# Altium PCB SJ2096POE.PcbDoc (part 3 of 5) (continued)
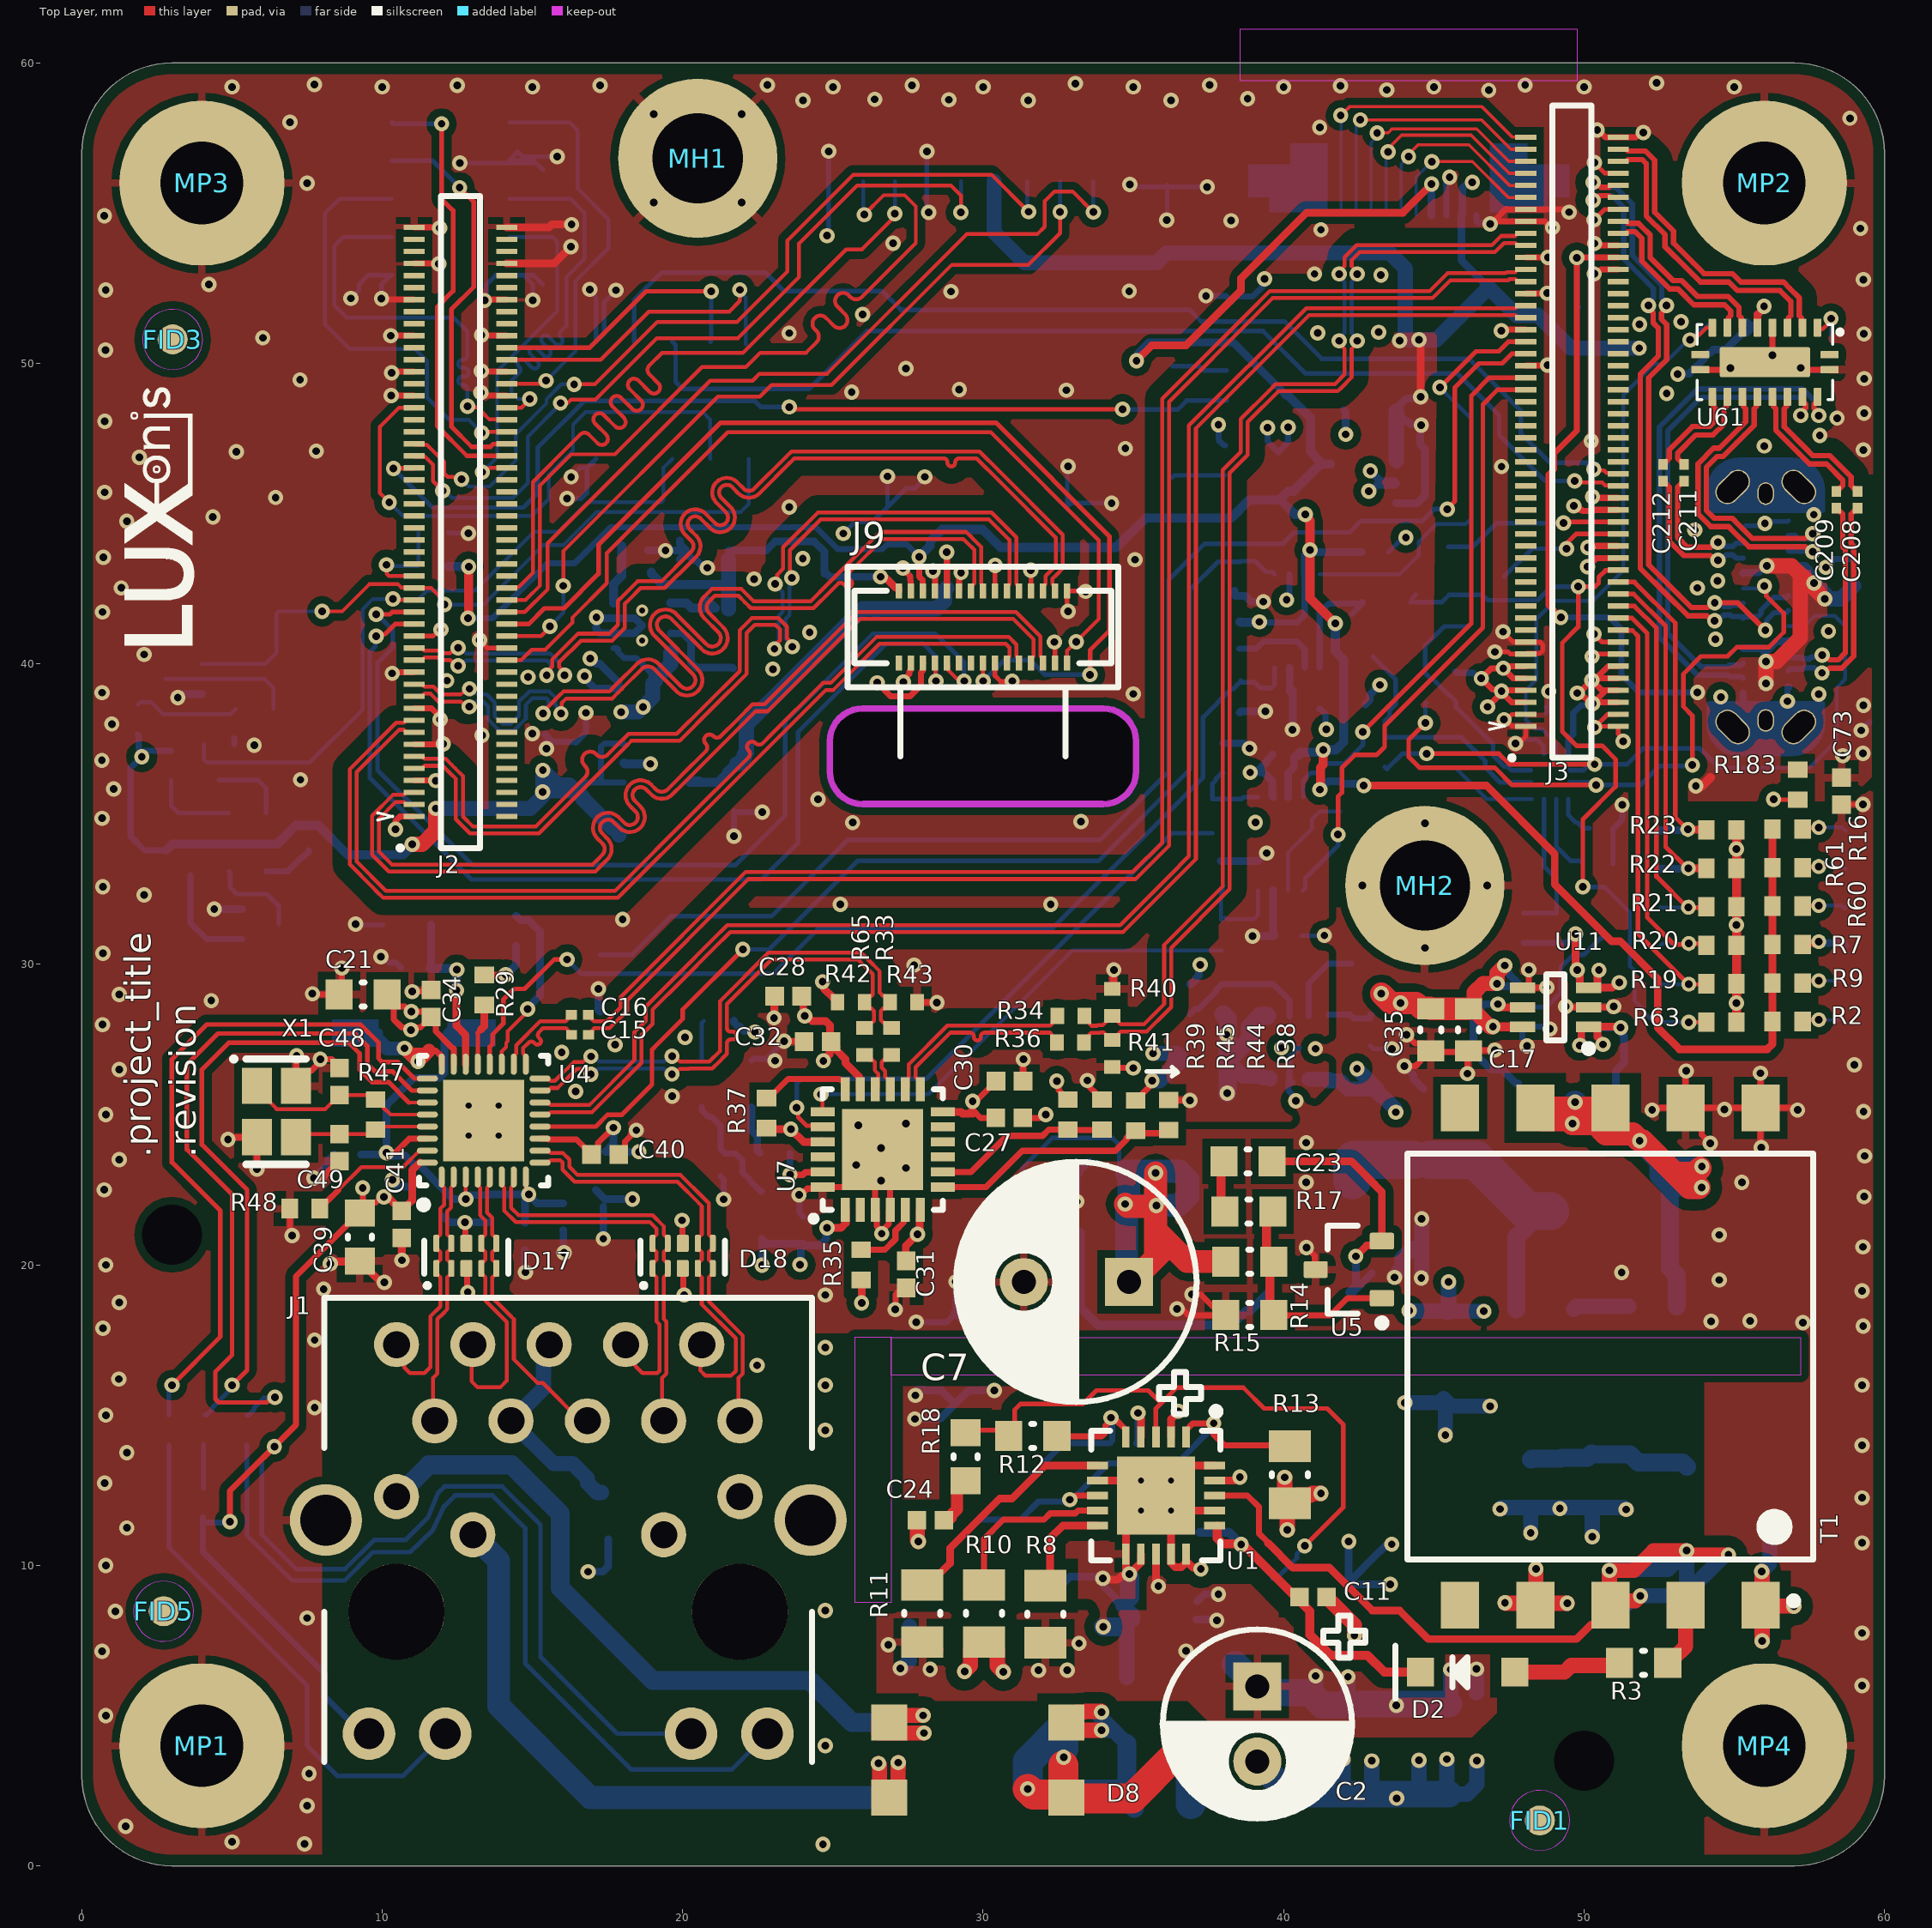
[diagram p0: Top Layer view]
## Nets (pads, with @x,y where several pads share a name; then routed paths per layer and width w, separated by ;. In a path a pad name is that pad's centre, name@x,y a point inside that pad or via, vN(x,y) a via of type N, cw(c..) or ccw(c..) an arc to the next point about the centre after c; other vN are vias at no path point) (continued)
  Bottom Layer w0.13: v1@16.949,26.348 v1(16.943,26.342) 17.002,26.342 17.196,26.536 19.376,26.536 19.562,26.35 v1(19.641,26.35)
CAM_A_CLK: J2.28 J9.30 | length 29.5
  Top Layer w0.127: J2.28@14.14,40.125 14.625,40.125 14.975,40.475 15.425,40.475 16.325,41.375 16.325,41.534 17.475,42.684 17.475,43.687 21.498,47.71 30.254,47.71 33.85,44.114 33.85,41.493 v1(33.096,40.739) 32.794,40.438 J9.30@32.794,40.028
CAM_A_PWDN_N: J2.34 J9.23 | length 34.5
  Top Layer w0.127: J9.23@29.994,40.028 29.998,40.025 29.998,39.431 v1(30.001,39.428)
  Top Layer w0.152: J2.34@14.14,41.325 14.875,41.325 15.4,41.85 16.05,41.85 17.2,43 17.2,43.963 21.263,48.025 30.424,48.025 34.2,44.249 34.2,41.1 33.558,40.458 v1(33.558,39.642)
  Bottom Layer w0.152: v1(30.001,39.428) 30.698,40.125 31.575,40.125 32.058,39.642 v1(33.558,39.642)
CAM_B_CLK: J2.73
CAM_B_D_PWM: J2.65
CAM_B_PWDN_N: J2.67
CC1: J10.A5 RZ28.2 U62.1 | length 23.3
  Top Layer w0.152: v1(44.76,37.015) 47.164,37.015 47.52,36.659 v1(50.351,36.659)
  Bottom Layer w0.127: 54.486,36.549 57.503,36.549 58.41,37.456 58.41,39.21 58.688,39.488 58.688,41.252 58.345,41.595 57.679,41.595 57.346,41.263 56.807,41.263 J10.A5@56.8,41.27
  Bottom Layer w0.152: RZ28.2@43.364,36.578 43.439,36.503 43.951,37.015 v1(44.76,37.015) ; U62.1@49.521,36.459 49.971,36.459 50.206,36.693 50.241,36.659 v1(50.351,36.659) 51.434,36.659 51.968,37.193 53.843,37.193 54.486,36.549
CC2: J10.B5 RZ29.2 U62.2 | length 22.5
  Top Layer w0.127: v1(56.003,42.588) v1@56.06,42.531
  Top Layer w0.152: v1(44.72,38.037) 44.164,37.482 44.164,36.904 44.519,36.55 47.025,36.55 47.605,35.97 v1(50.398,35.97) ; v1(53.604,36.634) 53.604,37.195 53.604,38.281 53.306,38.58 53.306,39.666 53.89,40.25 54.775,40.25 55.082,40.557 56.149,40.557 56.648,41.056 56.648,41.684 56.06,42.271 v1@56.06,42.531
  Bottom Layer w0.127: J10.B5@55.29,42.52 56,42.519 56.003,42.522 v1(56.003,42.588)
  Bottom Layer w0.152: v1(44.72,38.037) 44.72,38.682 RZ29.2@44.739,38.701 ; U62.2@49.521,36.059 v1@50.195,36.059 ; v1(50.398,35.97) 51.87,35.97 52.5,36.6 53.57,36.6 v1(53.604,36.634)
CD_SW1: J7.9 R66.1 | length 1.9
  Bottom Layer w0.152: J7.9@36.298,49.912 37.197,49.912 37.343,49.767 R66.1@38.099,49.767
CD_SW2: J7.10 R67.2 | length 1.8
  Bottom Layer w0.152: J7.10@36.298,46.212 36.36,46.275 R67.2@38.05,46.275
CLK_IN: R64.1 U7.23 | length 1.9
  Top Layer w0.206: v1(23.571,23.005) 23.576,23 24,23 24.085,23.085 24.65,23.085 U7.23@24.655,23.09
  Bottom Layer w0.206: R64.1@23.562,23.728 23.567,23.722 23.567,23.008 v1(23.571,23.005)
COM_AUX_IO2: J2.42
CT1: D9.2 J1.11 | length 21.8
  Bottom Layer w0.635: J1.11@10.475,12.29 10.494,12.29 11.549,13.344 14.307,13.344 15.925,11.726 15.925,9.25 19,6.175 24.234,6.175 25.634,4.775 D9.2@26.875,4.775
CT2: D9.3 J1.12 | length 20.3
  Bottom Layer w0.762: J1.12@13.015,11.02 13.877,10.158 13.877,5.323 16.925,2.275 D9.3@26.875,2.275
EROUT: R12.1 R18.2 U1.3 U2.4 | length 21.5
  Top Layer w0.152: R18.2@29.575,14.5 30.825,14.5 31.05,14.725 31.05,15.175 31.25,15.375 33.325,15.375 33.775,15.825 35.493,15.825 35.922,15.397 ; U1.3@35.75,14.275 35.75,15.225 35.922,15.397 ; v1(40.702,10.651) 41.981,11.929 41.981,14.694 41.45,15.225 39.35,15.225 38.66,15.915 36.44,15.915 35.922,15.397
  Bottom Layer w0.152: U2.4@39.63,9.565 39.76,9.565 40.444,10.249 40.444,10.379 40.702,10.637 v1(40.702,10.651)
FB_3.3VIN: R68.2 R69.1 U9.6 | length 4.5
  Bottom Layer w0.203: R69.1@36.88,28.338 37.054,28.511 37.162,28.511 37.766,29.114 37.766,29.164 37.939,29.338 R68.2@37.989,29.338 39.669,29.338 40.189,28.818 U9.6@40.189,28.281
GND: B1.1 C6.1 C7.2 C9.1 C10.1 C12.1 C13.1 C14.1 C17.1 C18.1 C19.1 C20.2 C21.1 C25.2 C27.2 C28.2 C29.2 C30.2 C31.2 C32.1 C34.1 C35.1 C36.1 C37.1 C38.1 C39.1 C40.1 C41.1 C42.1 C43.1 C44.1 C45.1 C46.1 C47.1 C48.1 C49.1 C50.1 C51.1 C52.1 C53.1 C55.1 C56.1 C57.2 C58.1 C59.1 C60.1 C73.1 C74.1 C76.1 C207.1 D17.3 D17.8 D18.3 D18.8 J1.19 J1.20 J2.1 J2.7 J2.13 J2.19 J2.25 J2.30 J2.31 J2.71 J2.72 J2.75 J2.76 J2.81 J2.82 J2.87 J2.88 J2.93 J2.94 J2.99 J2.100 J3.1 J3.2 J3.3 J3.4 J3.13 J3.14 J3.15 J3.16 J3.30 J3.32 J3.38 J3.40 J3.61 J3.67 J3.73 J3.78 J3.79 J3.82 J3.85 J3.87 J3.88 J3.94 J3.100 J4.8 J4.10 J5.9 J5.10 J7.6 J7.11 J7.12 J7.13 J7.14 J8.3 J8.9 J8.10 J9.1 J9.4 J9.7 J9.10 J9.12 J9.14 J9.17 J9.24 J9.29 J10.A1 J10.A12 J10.B1 J10.B12 J10.CASE MH1.1 MH2.1 MP1.1 MP2.1 MP3.1 MP4.1 OS1.2 Q1.2 Q2.2 Q3.2 Q4.2 R15.1 R19.2 R20.2 R21.2 R22.2 R23.2 R31.2 R32.2 R40.2 R41.1 R42.1 R43.1 R44.2 R45.2 R48.1 R62.2 R63.2 R67.1 R69.2 R71.1 R183.1 R185.2 T1.9 T1.10 TP9.1 U3.2 U4.33 U5.3 U6.2 U7.3 U7.4 U7.24 U7.25 U9.3 U9.9 U10.2 U11.2 U11.4 U12.2 U12.4 U13.2 U14.2 U14.3 U14.9 U61.5 U61.11 U61.20 U61.21 U62.10 X1.2 X1.4 | length 239
  Top Layer w0.152: J2.31@11.06,40.925 11.69,40.925 11.906,41.141 v1(11.957,41.141) ; v1(13.236,40.789) 13.239,40.789 13.503,40.525 J2.30@14.14,40.525 ; J9.24@30.394,40.028 30.394,39.606 30.585,39.415 30.954,39.415 v1(30.966,39.428) ; J9.7@30.394,42.428 30.394,43.265 v1(30.404,43.274) ; J9.4@31.594,42.428 v1@31.594,43.116 ; v1(32.372,40.728) 32.394,40.706 J9.29@32.394,40.028 ; v1(32.825,41.746) 32.794,41.776 J9.1@32.794,42.428 33.391,42.428 v1(33.409,42.41) ; v1(47.03,40.4) v1@47.126,40.4 ; v1@47.201,40.325 v1@47.126,40.4 ; v1(47.299,41.071) 47.632,40.739 48.046,40.739 J3.15@48.06,40.725 ; v1(47.336,38.147) v1@47.383,38.147 ; 47.632,40.725 J3.15@48.06,40.725 ; v1(47.714,37.349) 47.821,37.349 48.06,37.588 J3.1@48.06,37.925 48.058,37.927 47.604,37.927 v1@47.383,38.147 ; J3.3@48.06,38.325 48.058,38.323 47.604,38.323 47.428,38.147 v1@47.383,38.147 ; v1(50.264,40.246) 50.36,40.246 50.439,40.325 J3.14@51.14,40.325 ; v1(50.333,40.996) 50.604,40.725 J3.16@51.14,40.725 ; v1(50.333,54.776) 50.682,55.125 J3.88@51.14,55.125 ; v1(50.341,56.68) 50.689,56.332 51.133,56.332 J3.94@51.14,56.325 ; v1(50.353,37.886) v1@50.392,37.925 ; J3.4@51.14,38.325 51.126,38.311 50.778,38.311 v1@50.392,37.925 ; v1(51.302,37.421) 51.302,37.512 51.14,37.674 J3.2@51.14,37.925 v1@50.392,37.925 ; v1(56.307,35.493) 56.318,35.481 R183.1@57.114,35.481 ; C73.1@58.57,35.32 58.577,35.327 v1(59.28,35.327) ; v1@47.126,40.4 47.475,40.4 47.55,40.325 J3.13@48.06,40.325 48.072,40.337 48.506,40.337 48.625,40.456 48.625,40.636 48.536,40.725 J3.15@48.06,40.725
  Top Layer w0.2: v1(4.865,24.177) 4.948,24.177 5.024,24.253 X1.2@5.826,24.253 5.826,23.194 v1(5.832,23.189) ; R48.1@6.925,21.875 6.925,21.131 6.999,21.056 v1(6.999,20.973) ; X1.4@7.126,25.953 7.126,26.053 X1.4@7.15,26.077 ; v1(7.15,26.959) X1.4@7.15,26.077 ; v1@7.874,29.003 C21.1@8.566,29.003 8.654,29.091 v1(8.654,29.88) ; C48.1@8.576,26.553 8.6,26.577 8.334,26.843 v1(7.938,26.843) 7.938,26.765 7.626,26.453 7.526,26.453 X1.4@7.15,26.077 ; v1(9.976,52.154) 10.005,52.125 J2.87@11.06,52.125 ; v1(10.287,50.921) 10.291,50.925 J2.81@11.06,50.925 ; v1(10.3,48.929) 10.304,48.925 J2.71@11.06,48.925 ; v1(10.313,49.69) 10.348,49.725 J2.75@11.06,49.725 ; v1(10.332,39.686) 10.371,39.725 J2.25@11.06,39.725 ; v1(10.438,34.496) 10.438,34.772 10.591,34.925 J2.1@11.06,34.925 ; v1(11.002,29.096) 11.569,29.096 C34.1@11.626,29.153 ; J2.7@11.06,36.125 11.775,36.125 v1(11.784,36.116) ; J2.13@11.06,37.325 12.016,37.325 v1(12.033,37.341) ; J2.19@11.06,38.525 11.638,38.525 11.926,38.237 v1(11.926,38.149) ; J2.93@11.06,53.325 11.877,53.325 v1(11.887,53.315) ; J2.99@11.06,54.525 11.89,54.525 v1(11.911,54.504) ; v1@12.747,21.4 12.773,21.374 12.773,20.744 D17.8@12.8,20.717 ; D17.3@12.8,19.883 12.823,19.859 12.823,19.111 v1(12.847,19.088) ; v1(13.283,49.03) 13.366,49.03 13.471,48.925 J2.72@14.14,48.925 ; v1(13.301,49.747) 13.322,49.725 J2.76@14.14,49.725 ; v1(13.301,50.942) 13.318,50.925 J2.82@14.14,50.925 ; v1(13.406,52.095) 13.436,52.125 J2.88@14.14,52.125 ; C40.1@17.868,23.675 18.078,23.885 18.078,24.103 v1(18.459,24.483) ; D18.8@19.9,20.817 D18.8@19.986,20.732 ; v1(19.981,21.485) v1@19.986,21.485 ; D18.3@20,19.883 20.023,19.859 20.023,19.022 v1(20.047,18.998) ; D18.8@20,20.717 D18.8@19.986,20.732 ; v1@20.012,21.458 v1@19.986,21.485 ; v1(23.377,27.447) 24.018,27.447 C32.1@24.037,27.428 ; v1(23.871,22.329) 23.93,22.329 24.142,22.54 24.605,22.54 U7.24@24.655,22.59 25.405,22.59 U7.25@26.405,23.59 ; v1(26.623,21.043) v1@26.623,21.126 ; v1(27.077,18.517) 27.018,18.517 26.947,18.588 27.085,18.727 27.085,19.026 C31.2@27.282,19.223 ; v1(27.328,43.194) 27.328,43.166 27.571,42.923 27.571,42.775 27.584,42.761 27.584,42.438 J9.14@27.594,42.428 ; v1(27.348,39.39) 27.348,39.468 27.541,39.661 27.541,39.757 27.584,39.8 27.584,40.018 J9.17@27.594,40.028 ; R43.1@27.821,28.756 R43.1@27.805,28.74 28.453,28.74 v1@28.473,28.72 ; v1(28.331,43.09) 28.331,43.006 28.394,42.943 J9.12@28.394,42.428 ; v1@28.955,19.442 v1(29.091,19.442) ; J9.10@29.194,42.428 29.194,42.967 29.268,43.04 29.246,43.063 v1@29.246,43.17 ; C27.2@31.321,24.894 31.894,24.894 32,25.001 v1(32.084,25.001) ; C30.2@31.329,26.119 31.329,26.832 v1(31.337,26.84) ; v1(33.469,26.138) 33.528,26.08 33.528,25.932 33.733,25.728 33.733,25.678 33.908,25.503 R45.2@33.958,25.503 ; R41.1@34.294,26.588 34.33,26.552 v1(34.995,26.552) ; R40.2@34.294,29.188 R40.2@34.301,29.181 ; R44.2@35.075,25.471 35.125,25.471 35.3,25.646 35.3,25.696 35.561,25.957 35.561,26.068 v1(35.62,26.127) ; v1(36.45,18.532) 36.509,18.473 36.683,18.473 36.832,18.325 37.94,18.325 37.243,19.022 v1(36.948,19.022) ; v1(40.759,20.575) 41.031,20.303 41.031,19.884 U5.3@41.07,19.845 ; v1(44.022,26.615) 44.03,26.623 44.398,26.623 44.55,26.775 44.55,26.875 44.8,27.125 C35.1@44.9,27.125 44.65,27.375 44.371,27.375 v1(44.09,27.655) ; C35.1@44.856,27.081 46.106,27.081 C17.1@46.121,27.096 ; v1(46.114,26.367) 46.121,26.374 C17.1@46.121,27.096 ; v1(47.031,27.151) 46.176,27.151 C17.1@46.15,27.125 C17.1@46.121,27.096 ; v1(47.245,51.086) 47.284,51.125 J3.67@48.06,51.125 ; U11.4@47.95,29.225 U11.4@48.087,29.225 ; J3.61@48.06,49.925 48.766,49.925 v1(48.782,49.941) ; J3.73@48.06,52.325 48.76,52.325 v1(48.773,52.338) ; v1(48.162,29.823) 48.162,29.3 U11.4@48.087,29.225 ; v1(48.758,29.235) 48.758,29.364 48.619,29.225 U11.4@48.087,29.225 ; v1(48.95,54.517) 48.898,54.517 48.69,54.725 J3.85@48.06,54.725 47.076,54.725 47.012,54.66 46.983,54.689 46.978,54.689 46.978,54.71 47.393,55.125 J3.87@48.06,55.125 49.329,55.125 49.422,55.032 v1(49.505,55.032) ; v1(49.388,28.602) 49.28,28.602 49.253,28.575 U11.2@50.15,28.575 50.98,28.575 51.001,28.595 v1(50.984,28.595) ; v1(50.437,57.767) 50.466,57.767 50.708,57.525 J3.100@51.14,57.525 51.727,57.525 51.885,57.683 v1(51.968,57.683) ; v1(52.265,25.155) 52.348,25.155 52.418,25.225 T1.9@53.375,25.225 ; v1@53.377,26.464 53.375,26.462 T1.9@53.375,25.225 ; U61.11@53.869,49.792 55.769,49.792 U61.21@56.019,50.042 ; v1(54.197,24.043) 53.91,24.331 53.91,24.69 T1.9@53.375,25.225 ; v1(54.675,25.175) v1@54.725,25.225 ; v1(55.87,26.381) 55.87,25.23 T1.10@55.875,25.225 ; v1(55.9,23.9) 55.875,23.925 T1.10@55.875,25.225 ; U61.5@56.269,51.192 56.269,50.292 U61.21@56.019,50.042 ; v1(57.106,25.155) 57.023,25.155 56.953,25.225 T1.10@55.875,25.225 ; U61.20@58.169,49.792 56.269,49.792 U61.21@56.019,50.042 ; D18.8@19.986,20.732 v1@19.986,21.485 ; U7.25@26.405,23.59 U7.25@26.655,23.84 26.905,23.59 U7.4@26.905,21.84 26.855,21.79 26.855,21.358 v1@26.623,21.126 ; U7.25@26.405,23.59 U7.3@26.405,21.84 26.453,21.793 26.453,21.296 v1@26.623,21.126 ; T1.9@53.375,25.225 v1@54.725,25.225 ; v1@54.725,25.225 T1.10@55.875,25.225
  Top Layer w0.203: J3.79@48.06,53.525 v1(48.796,53.526) v1(48.796,53.526) ; v1(49.656,45.256) 49.738,45.256 49.867,45.127 49.911,45.127 49.952,45.086 50.281,45.086 50.32,45.125 J3.38@51.14,45.125 ; v1(50.113,43.23) 50.408,43.525 J3.30@51.14,43.525 ; v1(50.121,43.875) 50.172,43.925 J3.32@51.14,43.925 ; v1(50.281,45.561) 50.317,45.525 J3.40@51.14,45.525 ; v1(50.339,52.98) 50.421,52.98 50.566,53.125 J3.78@51.14,53.125 ; v1(50.35,53.992) 50.433,53.992 50.5,53.925 J3.82@51.14,53.925
  Top Layer w0.254: v1(6.999,20.973) v1@7.026,21 ; v1(7.722,22.894) 7.763,22.935 8.058,22.935 C49.1@8.576,23.453 ; v1(8.269,20.039) 8.337,20.039 8.407,20.109 9.234,20.109 C39.1@9.25,20.125 9.3,20.125 9.623,19.802 9.623,19.752 9.908,19.467 10.021,19.467 v1(10.069,19.419) ; C41.1@10.65,20.9 10.65,20.163 v1(10.656,20.157) ; J2.94@14.14,53.325 15.723,53.325 v1(16.278,53.881) ; J2.100@14.14,54.525 15.55,54.525 15.647,54.622 v1(16.301,54.622) ; v1(23.042,28.22) 23.052,28.23 23.052,28.93 C28.2@23.062,28.94 ; v1(24.652,29.423) 24.701,29.375 24.701,29.195 25.007,28.888 25.057,28.888 25.155,28.79 R42.1@25.155,28.74 ; R40.2@34.294,29.188 34.344,29.237 34.344,29.814 v1(34.349,29.819) ; C35.1@44.856,27.081 C35.1@44.9,27.125
  Top Layer w0.3: R63.2@55.072,28.077 v1(55.072,28.717) R19.2@55.072,29.357 R20.2@55.072,30.637 R21.2@55.072,31.917 R22.2@55.072,33.197 v1(55.072,33.837) R23.2@55.072,34.477
  Bottom Layer w0.152: v1(8.958,52.163) 9.228,52.434 9.228,52.631 9.532,52.935 J8.10@10.28,52.935 ; v1(9.116,31.344) 9.136,31.325 C36.1@10.025,31.325 ; v1(9.976,52.154) 9.976,52.631 J8.10@10.28,52.935 ; J8.10@10.325,52.935 J8.10@10.28,52.935 ; R62.2@12.2,44.375 12.222,44.353 12.866,44.353 v1(12.871,44.347) ; v1(12.582,56.669) J8.3@14.988,56.669 ; v1(13.406,52.095) 13.473,52.161 13.473,52.631 13.776,52.935 J8.9@14.225,52.935 J8.9@14.708,52.935 ; v1(15.012,52.105) 15.012,52.631 J8.9@14.708,52.935 ; J8.9@15.335,52.631 15.031,52.935 J8.9@14.708,52.935 ; J8.3@15.349,56.441 15.045,56.745 J8.3@14.225,56.745 14.514,57.034 14.665,56.882 v1(15.821,56.882) ; v1(16.15,45.5) 16.625,45.5 16.811,45.686 16.811,46.521 J5.9@16.821,46.531 ; v1(16.288,46.223) 16.596,46.531 J5.9@16.821,46.531 ; v1(16.913,52.461) 16.913,52.397 17.115,52.194 J5.10@17.115,50.725 17.39,51 17.39,52.048 v1(17.776,52.435) ; J5.9@17.026,46.684 J5.9@17,46.71 ; J5.9@17.115,46.825 J5.9@17,46.71 ; v1(24.8,54.25) 24.857,54.307 v1(24.857,57.058) ; v1(25.348,44.34) 25.738,44.73 26.32,44.73 J7.12@26.828,45.237 ; v1(26.818,46.239) 26.818,45.247 J7.12@26.828,45.237 ; v1(28.061,46.224) 28.061,46.176 27.72,45.836 27.426,45.836 J7.12@26.828,45.237 ; v1(28.127,57.051) 28.127,55.086 v1(28.187,55.026) ; v1(32.825,46.575) 32.798,46.548 J7.11@32.798,45.237 32.91,45.35 v1(34.275,45.35) ; v1(34.885,55.952) 34.981,55.952 35.059,55.873 J7.14@36.123,55.873 ; v1(36.108,54.771) 36.123,54.785 J7.14@36.123,55.873 ; J7.14@36.123,55.937 J7.14@36.123,55.873 ; v1(37.458,55.873) J7.14@36.123,55.873 ; C19.1@40.6,30.958 41.353,30.958 v1(41.358,30.963) ; C58.1@42.884,27.303 42.997,27.19 v1(43.602,27.19) ; C52.1@43.491,43.724 43.494,43.721 43.981,44.208 v1(44.071,44.208) ; v1@47.3,38.125 47.322,38.147 v1(47.336,38.147) ; v1(47.714,37.349) 47.844,37.479 48.43,37.479 48.647,37.261 48.647,37.032 U62.10@48.671,37.009 ; C76.1@48.737,38.361 48.834,38.458 48.735,38.557 48.826,38.648 v1(48.826,39.085) ; R32.2@50.969,33.344 R31.2@50.969,34.477 ; J10.B1@55.29,44.52 55.364,44.594 55.839,44.594 55.923,44.677 v1(56.019,44.677) 56.082,44.74 56.77,44.74 J10.A12@56.8,44.77 ; J5.9@16.821,46.531 J5.9@17,46.71
  Bottom Layer w0.2: Q2.2@5.073,37.325 Q2.2@5.073,37.53 ; v1(9.954,30.254) 10.033,30.254 10.225,30.062 10.462,30.062 C37.1@10.633,29.891 ; v1(15.463,37.179) 15.463,37.585 15.396,37.651 15.421,37.675 15.68,37.416 16.378,37.416 C10.1@16.42,37.374 16.433,37.374 16.783,37.724 v1(16.783,38.373) ; C20.2@21.262,22.953 21.364,22.851 v1(21.364,22.185) ; v1(21.71,34.271) 21.71,35.014 C12.1@21.761,35.066 ; C12.1@21.724,35.103 C12.1@21.761,35.066 ; OS1.2@22.287,26.803 22.349,26.865 22.795,26.865 v1(23.377,27.447) ; v1(22.647,35.066) C12.1@21.761,35.066 ; v1(23.871,22.329) 23.886,22.313 23.886,21.729 C29.2@24.012,21.603 ; v1(27.772,18.098) 28.785,18.098 C25.2@29.059,18.372 ; C25.2@29.017,18.414 C25.2@29.059,18.372 ; v1(29.091,19.442) 29.091,18.404 C25.2@29.059,18.372 ; C25.2@29.534,17.897 C25.2@29.059,18.372 ; 30.541,18.372 C25.2@29.059,18.372 ; v1(37.418,52.247) 38.08,52.247 38.268,52.059 C55.1@38.289,52.08 38.438,52.228 38.972,52.228 39.364,52.62 v1(39.364,52.81) ; v1(37.831,47.958) 37.831,47.45 38.006,47.275 R67.1@38.05,47.275 ; v1(39.469,47.856) 39.469,47.4 C60.1@39.819,47.05 ; C60.1@39.85,47.05 C60.1@39.819,47.05 ; v1(40.1,42.129) 40.1,42.213 40.2,42.313 U6.2@40.2,42.978 ; v1(40.15,47.875) 40.15,47.381 C60.1@39.819,47.05 ; U9.3@40.301,26.069 U9.3@40.189,26.181 ; v1(40.407,25.462) 40.407,25.545 40.163,25.789 40.163,26.155 U9.3@40.189,26.181 ; U9.9@40.514,27.231 40.189,26.906 U9.3@40.189,26.181 ; C53.1@41.18,38.493 C53.1@41.212,38.525 41.397,38.34 41.397,37.847 v1(41.418,37.826) ; J4.8@45.417,54.93 45.417,56.008 45.525,56.117 v1(45.525,56.2) ; J4.10@46.417,54.93 46.417,54.713 46.469,54.66 46.498,54.689 v1@46.978,54.689 ; v1(48.103,27.29) 48.103,27.373 47.95,27.526 U12.4@47.95,27.925 48.712,27.925 48.784,27.853 v1(48.868,27.853) ; v1(49.388,28.602) 49.28,28.602 49.253,28.575 U12.2@50.15,28.575 50.98,28.575 51.001,28.595 v1(50.984,28.595) ; R31.2@50.969,34.477 50.969,34.527 51.144,34.702 51.15,34.702 51.267,34.819 v1(51.267,35.311) ; v1(54.871,49.843) 55.142,49.843 C74.1@55.59,50.292 ; 55.29,38.512 55.331,38.471 55.331,38.162 ; v1(56.77,38.759) 56.77,39.239 J10.A1@56.8,39.27 J10.A1@56.84,39.229 ; v1(57.212,49.851) 57.295,49.851 57.376,49.77 R185.2@58.2,49.77 ; v1@58.129,43.212 v1(58.045,43.212) 58.33,43.497 C207.1@58.975,43.497
  Bottom Layer w0.254: v1(3.195,38.884) 3.263,38.884 3.373,38.994 3.994,38.994 Q4.2@4,39 ; v1(4.409,31.844) 4.412,31.841 Q3.2@5.336,31.841 ; v1(7.722,22.894) 8.217,23.389 8.217,23.492 C46.1@8.4,23.675 ; v1(10.342,22.836) 10.342,22.765 10.507,22.6 10.9,22.6 C47.1@10.925,22.575 ; C43.1@12.05,21.6 12.225,21.425 v1@12.723,21.425 ; v1@12.747,21.4 v1@12.723,21.425 ; C42.1@13.575,21.425 v1@12.723,21.425 ; C45.1@14.75,20.5 14.75,19.775 v1(14.769,19.756) ; C44.1@16.025,21.15 16.03,21.145 16.03,20.428 v1(16.05,20.409) ; v1@16.7,39.554 v1@16.781,39.473 ; v1@16.781,39.472 17.072,39.181 17.799,39.181 17.873,39.255 17.873,39.378 17.246,40.005 17.134,40.005 17.107,40.032 16.977,40.032 16.919,40.09 v1(16.919,40.179) ; v1(16.851,9.792) 17.342,9.792 17.525,9.975 C50.1@17.525,10.877 ; v1@17.068,41.547 v1@17.091,41.525 ; C38.1@17.102,22.498 C38.1@17.425,22.175 17.444,22.194 v1(18.328,22.194) ; v1(17.194,29.184) 17.194,28.481 Q1.2@17.25,28.425 ; v1(17.358,20.871) C38.1@17.358,21.934 ; U14.2@17.688,41.012 U14.2@17.701,41.025 ; R71.1@18.83,43.782 C14.1@20.119,43.782 ; C14.1@19.903,43.484 C14.1@20.126,43.707 ; C14.1@19.903,44.107 19.903,43.998 C14.1@20.119,43.782 ; v1(20.823,43.197) 20.774,43.246 20.655,43.246 20.449,43.452 20.349,43.452 20.126,43.675 C14.1@20.126,43.707 ; v1(33.116,22.11) 33.116,22.983 33.18,23.047 33.18,23.097 33.503,23.42 C9.1@33.553,23.42 ; R69.2@36.88,29.338 36.93,29.338 37.078,29.486 37.078,29.536 37.184,29.641 37.184,29.949 v1(37.225,29.99) ; v1(38.886,36.387) v1@39.088,36.387 ; C18.1@39.628,36.977 39.445,36.794 39.445,36.744 v1@39.088,36.387 ; U3.2@39.65,35.566 39.627,35.589 39.627,36.087 39.327,36.387 v1@39.088,36.387 ; C59.1@42.018,48.45 42.068,48.4 v1(42.068,47.639) ; v1(42.833,45.75) 42.899,45.75 43.109,45.96 43.71,45.96 U10.2@43.75,46 43.677,46.073 43.237,46.073 v1(42.886,46.423) ; v1(44.022,26.615) 44.327,26.311 44.327,26.177 C56.1@44.65,25.854 ; 55.29,38.512 55.29,38.67 J10.B12@55.29,39.02 ; v1@17.091,41.525 17.122,41.494 17.122,41.153 17.25,41.025 U14.2@17.701,41.025 ; v1@17.091,41.525 U14.3@17.701,41.525 18.401,41.525 U14.9@18.651,41.275 18.401,41.025 U14.2@17.701,41.025 ; C14.1@20.119,43.782 C14.1@20.126,43.775 C14.1@20.126,43.707
  Bottom Layer w0.305: U13.2@18.042,36.707 18.074,36.675 v1(18.926,36.675)
  Bottom Layer w0.508: v1(35.62,26.127) 35.868,26.127 36.287,26.546 36.337,26.546 36.533,26.742 C57.2@36.533,26.792 ; v1(35.658,27.038) 36.461,27.038 C57.2@36.533,26.966 ; v1(43.69,19.584) 43.69,19.643 43.951,19.904 43.951,20.229 44.272,20.55 C6.1@44.596,20.55 ; v1(44.585,19.562) 44.596,19.573 C6.1@44.596,20.55 ; v1(44.596,21.532) C6.1@44.596,20.55 ; C6.1@44.597,20.55 C6.1@44.596,20.55
  other v1: 24.667,0.722 7.418,0.731 5,0.8 1.459,1.317 7.5,2 7.564,3.073 24.75,4 0.8,5 59.25,6 0.679,7.141 59.25,7.75 7.5,8.25 1.122,8.468 24.75,8.5 0.8,10 59.25,10.75 1.5,11.25 59.25,12.25 0.763,12.742 1.5,13.75 59.25,14 24.75,14.5 0.8,15 7.75,15.25 24.75,16 59.25,16 1.234,16.2 22.48,16.659 24.75,17.25 7.75,17.5 0.707,17.897 59.288,17.964 57.283,18.082 54.226,18.125 55.521,18.134 1.25,18.75 24.75,19 59.254,19.136 8.05,19.197 54.5,19.5 51.25,19.75 0.8,20 59.281,20.6 54.5,21 12.753,21.414 59.319,22.271 0.75,22.5 40.75,22.75 55.25,22.75 26.605,22.81 27.425,23.225 25.775,23.325 1.25,23.5 59.34,23.625 26.605,23.89 40.755,24.069 25.85,24.65 27.425,24.7 0.8,25 59.302,25.099 19.648,25.62 16.439,25.771 53.398,26.455 1.25,26.5 58.997,26.662 23.071,26.794 15.975,27.075 41.059,27.196 39.93,27.222 17.75,27.325 20.075,27.575 0.692,27.997 28.463,28.73 4.31,28.796 1.25,29 7.677,29.023 27.704,29.976 0.707,30.372 44.7,30.55 55.066,31.312 18,31.5 25.25,32 32.25,32 2.073,32.315 0.7,32.584 42.625,32.625 46.775,32.625 44.7,34.7 25.656,34.72 39.06,34.726 33.255,34.752 0.68,34.863 24.5,35.5 1.059,35.836 7.279,36.144 0.669,36.79 5.74,37.299 13.321,37.62 14.995,37.685 1,38 54.551,38.899 35,39 57.809,38.992 0.68,39.044 12.15,39.445 14.855,39.559 16.732,39.591 22.999,39.827 2.073,40.315 54.375,40.825 24.225,41.05 58.134,41.087 17.129,41.551 0.692,41.728 1.314,42.53 53.773,42.528 54.446,42.765 22.375,42.825 29.265,43.039 31.586,43.116 35.058,43.47 23.996,43.503 0.715,43.544 19.428,43.772 53.689,44.455 1.5,44.75 4.365,44.888 57.648,44.97 23.549,45.219 6.45,45.537 0.759,45.71 47.255,46.569 1.921,46.876 5.143,47.064 7.805,47.082 59.295,47.122 34.734,47.169 56,47.25 50.236,47.417 57.846,47.604 0.767,48.074 58.42,48.179 59.319,48.341 52.75,49 25.624,49.041 32.773,49.109 29.205,49.131 7.264,49.454 59.326,49.492 27.43,49.831 56.274,50.275 0.789,50.446 6.025,50.85 59.314,50.981 23.542,51.007 41.14,51.013 43.165,51.038 51.847,51.299 53.231,51.39 25.991,51.628 28.932,52.391 34.861,52.404 0.796,52.442 4.235,52.627 59.296,52.79 43.24,52.938 41.028,52.977 27,54 41.242,54.45 59.2,54.492 46.878,54.639 38.25,54.75 0.752,54.916 19.033,55.358 21.967,55.358 7.5,56 41.202,57.852 6.933,58.022 58.847,58.158 19.033,58.292 21.967,58.292 24,58.75 31.5,58.75 36.25,58.75 28.858,58.773 26.393,58.79 38.802,58.806 46.828,59.09 43.431,59.103 5,59.2 10,59.2 15,59.2 25,59.2 30,59.2 35,59.2 40,59.2 45,59.2 50,59.2 55,59.2 41.894,59.235 12.5,59.25 17.25,59.25 22.822,59.261 27.635,59.252 37.535,59.261 48.039,59.261 7.739,59.283 33.069,59.315 52.416,59.332
  other v2: 12.876,24.303 13.876,24.303 12.876,25.303 13.876,25.303 18.651,40.775 18.651,41.775
GPIO7/sd_hst_cd: J2.59 R66.2 | length 31.6
  Top Layer w0.152: v1(10.375,46.5) 10.388,46.512 11.047,46.512 J2.59@11.06,46.525 ; v1(23.55,48.55) 23.601,48.601 23.731,48.471 v1(34.637,48.471)
  Bottom Layer w0.152: v1(10.375,46.5) 11.669,45.206 14.697,45.206 15.17,45.68 15.17,47.195 16.725,48.75 22.4,48.75 22.6,48.55 v1(23.55,48.55) ; v1(34.637,48.471) 34.645,48.463 36.474,48.463 36.778,48.767 R66.2@38.099,48.767
GPIO8: J2.60 J8.7 | length 11.2
  Top Layer w0.127: v1(13.331,46.381) 13.434,46.381 13.578,46.525 J2.60@14.14,46.525
  Bottom Layer w0.127: v1(13.331,46.381) 13.825,46.875 13.825,49.741 15.824,51.74 15.824,54.051 15.672,54.204 14.226,54.204 J8.7@14.225,54.205
GPIO58: J3.28 R27.1 R63.1 SW1.1 | length 27.3
  Top Layer w0.127: v1(53.481,28.076) 54.071,28.076 R63.1@54.072,28.077
  Top Layer w0.152: v1(49.96,32.58) 49.96,34.829 51.05,35.919 51.05,36.825 50.6,37.275 49.75,37.275 49.275,37.75 49.275,40.7 49.807,41.232 v1(49.807,42.572) 50.364,42.572 50.487,42.695 50.487,42.887 50.711,43.111 51.126,43.111 J3.28@51.14,43.125
  Bottom Layer w0.127: 50.677,32.58 51.525,31.732 51.525,29.95 51.675,29.8 51.675,28.8 51.99,28.485 51.99,28.408 52.307,28.092 SW1.1@52.552,28.092 ; SW1.1@52.568,28.076 v1(53.481,28.076)
  Bottom Layer w0.152: R27.1@44.225,42.058 45.271,42.058 45.512,42.3 46.625,42.3 46.806,42.119 48.459,42.119 48.912,42.572 v1(49.807,42.572) ; R27.1@44.275,42.175 R27.1@44.4,42.3 ; v1(49.96,32.58) 50.677,32.58
HSO: R8.2 U1.10 | length 3.4
  Top Layer w0.254: R8.2@32.075,9.325 32.225,9.475 32.225,10.9 32.65,11.325 U1.10@33.8,11.325
I2C0_SCL: J3.34 TP1.1 | length 4.5
  Top Layer w0.152: v1(49.415,43.835) 49.415,43.842 49.332,43.926 49.731,44.325 J3.34@51.14,44.325
  Bottom Layer w0.152: TP1.1@47.35,42.914 48.271,43.835 48.514,43.835 v1(49.415,43.835)